# Allegro board mini_trx_layout.brd (continued)
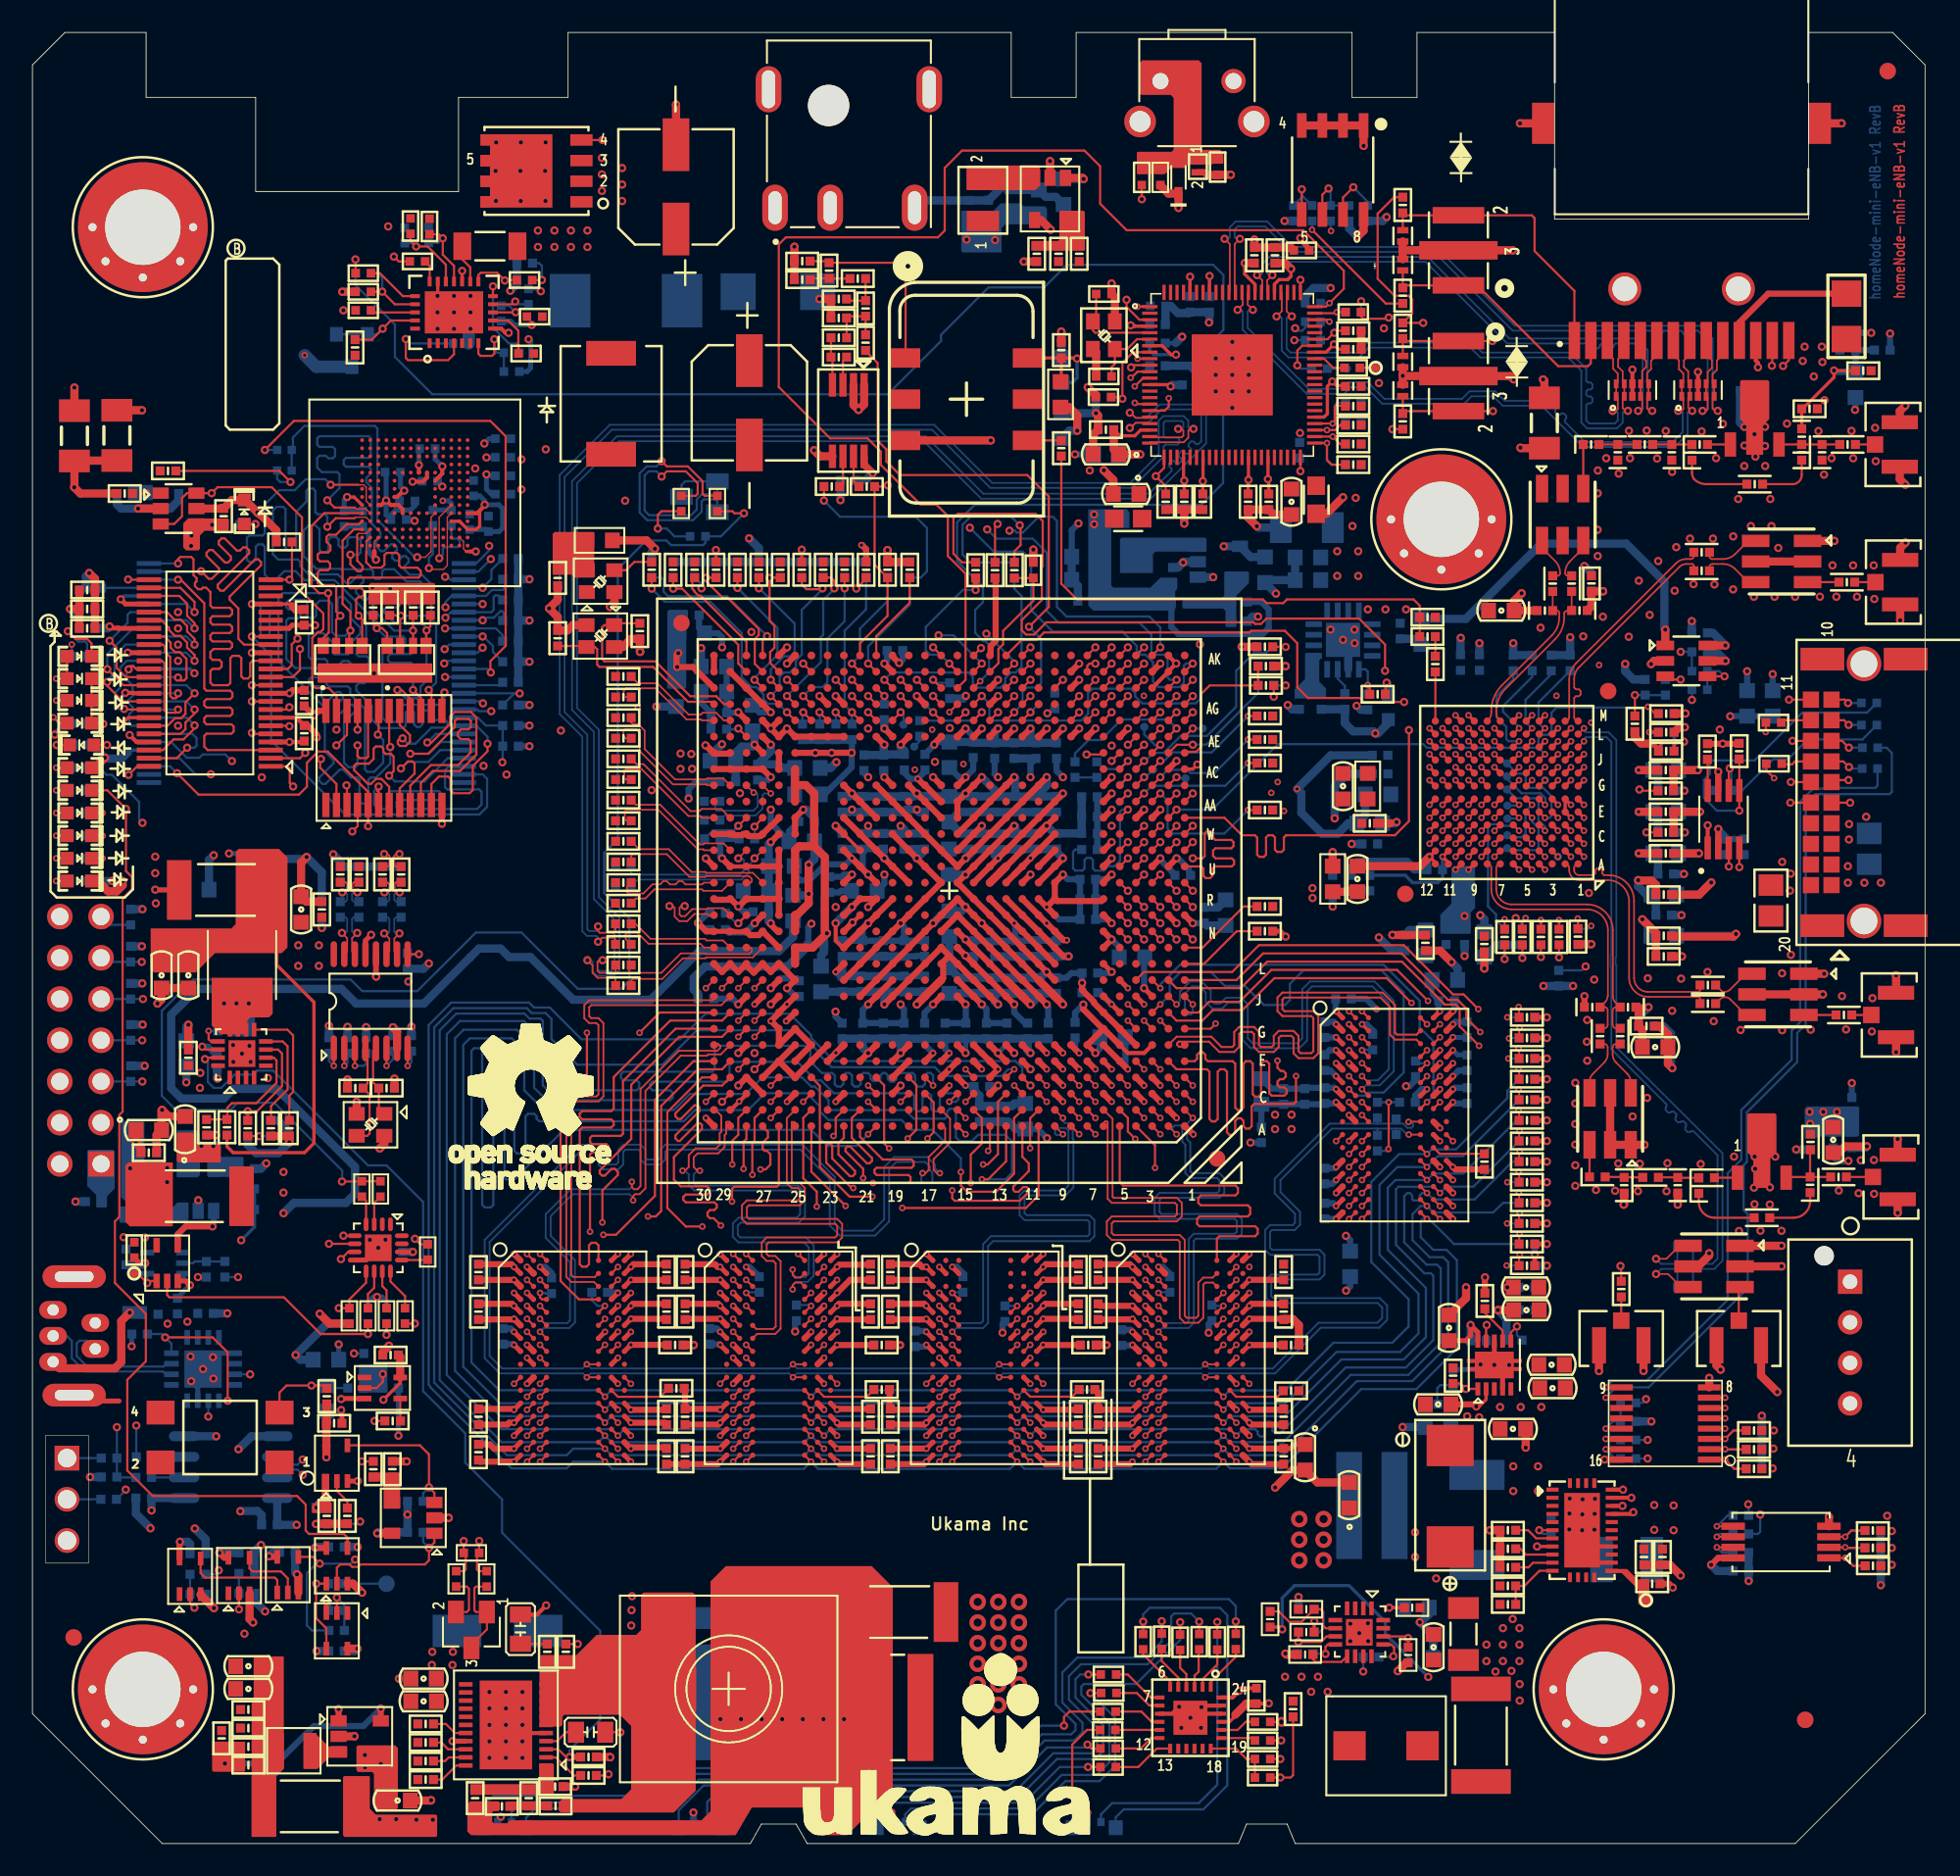
[diagram p0: board, top side]
## Routing (per net, layer and track width the routed paths; a pad name or vN(x,y) marks a point on that pad's centre or on a via; arc(x,y) is an arc through that point) (continued)
7130_DDR3_DQ20: length 29.6
  TOP w0.137: U30.H3 v2(69.37,30.73) ; U1.A3 v2(69.49,43.71)
  L6-SIGNAL w0.127: v2(69.37,30.73) 69.77,31.13 69.77,36.38 69.9,36.51 70.18,36.51 70.3,36.38 70.3,30.77 70.43,30.64 70.71,30.64 70.84,30.77 70.84,38.8 71.37,39.33 71.37,42.68 70.99,43.06 70.99,44.05 70.84,44.21 69.64,44.21 69.49,44.05 v2(69.49,43.71)
7130_DDR3_DQ21: length 29.6
  TOP w0.137: U1.B3 v2(69.49,44.71) ; U30.E3 v2(69.37,33.13)
  L6-SIGNAL w0.127: v2(69.49,44.71) 68.96,44.18 68.96,43.34 70.91,41.39 70.91,39.58 70.76,39.43 70.53,39.43 70.38,39.58 70.38,40.32 70.23,40.47 70,40.47 69.85,40.32 69.85,37.02 69.72,36.89 69.44,36.89 69.31,37.02 69.31,40.35 69.19,40.47 68.91,40.47 68.78,40.35 68.78,37.32 68.65,37.2 68.37,37.2 68.25,37.32 68.25,38.59 68.12,38.72 67.84,38.72 67.71,38.59 67.71,37.02 67.84,36.89 68.04,36.89 68.17,36.76 68.17,33.67 68.3,33.54 68.96,33.54 v2(69.37,33.13)
7130_DDR3_DQ22: length 29.6
  TOP w0.137: U1.A4 69.16,43.04 v2(69.16,41.64) ; U30.G2 v2(68.57,31.53)
  L6-SIGNAL w0.127: v2(69.16,41.64) 65.36,41.64 65.21,41.49 65.21,32.07 65.34,31.94 65.68,31.94 65.81,32.07 65.81,36.44 65.94,36.57 66.29,36.57 66.42,36.44 66.42,32.07 66.54,31.94 68.16,31.94 v2(68.57,31.53)
7130_DDR3_DQ23: length 29.6
  TOP w0.137: U30.F2 v2(68.57,32.33) ; U1.B4 v2(68.49,44.71)
  L6-SIGNAL w0.127: v2(68.49,44.71) 68.49,43.06 69.72,41.83 69.72,41.26 69.47,41.01 68.37,41.01 68.25,40.88 68.25,39.83 68.12,39.7 67.76,39.7 67.64,39.83 67.64,40.96 67.51,41.08 67.15,41.08 67.03,40.96 67.03,37.63 66.9,37.5 66.54,37.5 66.42,37.63 66.42,41.03 66.29,41.16 65.94,41.16 65.81,41.03 65.81,37.17 65.94,37.04 66.9,37.04 67.03,36.92 67.03,32.87 67.15,32.74 68.16,32.74 v2(68.57,32.33)
7130_DDR3_DQ24: length 29.6
  TOP w0.137: U1.B5 67.49,44.71 67.49,43.87 v2(67.94,43.42) ; U30.D7 v2(73.37,33.93)
  L3-SIGNAL w0.127: v2(67.94,43.42) 67.94,42.81 68.07,42.68 70.79,42.68 70.91,42.56 70.91,32.14 71.04,32.01 71.4,32.01 71.52,32.14 71.52,38.13 71.65,38.26 72.01,38.26 72.13,38.13 72.13,34.06 72.26,33.93 v2(73.37,33.93)
7130_DDR3_DQ25: length 29.6
  TOP w0.137: U30.A7 72.97,37.27 73.12,37.42 75.33,37.42 75.49,37.58 75.49,37.88 75.33,38.03 71.9,38.03 71.75,38.19 71.75,38.49 71.9,38.64 74.88,38.64 75.03,38.8 75.03,39.18 74.88,39.33 71.98,39.33 71.83,39.48 71.83,39.79 71.98,39.94 74.11,39.94 74.27,40.09 74.27,40.4 74.11,40.55 67.19,40.55 66.99,40.75 U1.A5
7130_DDR3_DQ26: length 29.6
  TOP w0.137: U1.C5 v2(67.49,45.71) ; U30.C8 v2(74.17,34.73)
  L3-SIGNAL w0.127: v2(74.17,34.73) 72.77,34.73 72.64,34.86 72.64,38.15 72.77,38.28 73.38,38.28 73.5,38.4 73.5,38.72 73.38,38.85 71.62,38.85 71.5,38.97 71.5,43.17 71.62,43.29 71.94,43.29 72.07,43.17 72.07,39.61 72.2,39.48 72.45,39.48 72.58,39.61 72.58,44.12 72.45,44.24 67.61,44.24 67.49,44.37 v2(67.49,45.71)
7130_DDR3_DQ27: length 29.6
  TOP w0.137: U1.D5 v2(67.49,46.71) ; U30.B8 v2(74.17,35.53)
  L3-SIGNAL w0.127: v2(74.17,35.53) 73.34,35.53 73.21,35.66 73.21,37.2 73.34,37.32 74.86,37.32 74.99,37.45 74.99,37.77 74.86,37.89 74.16,37.89 74.04,38.02 74.04,38.47 74.16,38.59 74.8,38.59 74.93,38.72 74.93,39.1 74.8,39.23 73.66,39.23 73.53,39.36 73.53,39.74 73.66,39.86 74.67,39.86 74.8,39.99 74.8,40.37 74.67,40.5 73.21,40.5 73.09,40.63 73.09,41.01 73.21,41.13 73.59,41.13 73.72,41.26 73.72,41.64 73.59,41.77 73.21,41.77 73.09,41.9 73.09,42.28 73.21,42.4 73.59,42.4 73.72,42.53 73.72,42.85 73.59,42.97 73.21,42.97 73.09,43.1 73.09,43.42 73.21,43.55 73.59,43.55 73.72,43.67 73.72,43.99 73.59,44.12 73.21,44.12 73.09,44.24 73.09,44.5 73.21,44.63 73.59,44.63 73.72,44.75 73.72,45.07 73.59,45.2 68.14,45.2 68.01,45.32 68.01,46.19 v2(67.49,46.71)
7130_DDR3_DQ28: length 29.6
  TOP w0.137: U30.C3 v2(69.37,34.73) ; U1.B7 v2(65.49,44.71)
  L3-SIGNAL w0.127: v2(65.49,44.71) 65.96,44.24 65.96,40.5 65.83,40.37 65.4,40.37 65.27,40.24 65.27,37.26 65.4,37.13 65.66,37.13 65.78,37.26 65.78,39.74 65.91,39.86 66.16,39.86 66.29,39.74 66.29,37.26 66.42,37.13 66.67,37.13 66.8,37.26 66.8,41.53 66.93,41.66 67.18,41.66 67.31,41.53 67.31,37.51 67.43,37.39 68.84,37.39 68.97,37.26 68.97,35.13 v2(69.37,34.73)
7130_DDR3_DQ29: length 29.6
  TOP w0.137: U30.A2 v2(68.57,36.33) ; U1.A7 v2(65.49,43.71)
  L3-SIGNAL w0.127: v2(65.49,43.71) 65.49,41.01 65.36,40.88 63.88,40.88 63.75,40.75 63.75,35.8 63.88,35.67 64.13,35.67 64.26,35.8 64.26,40.24 64.39,40.37 64.64,40.37 64.77,40.24 64.77,35.8 64.89,35.67 65.15,35.67 65.27,35.8 65.27,36.51 65.4,36.63 65.66,36.63 65.78,36.51 65.78,35.8 65.91,35.67 66.16,35.67 66.29,35.8 66.29,36.56 66.42,36.69 66.67,36.69 66.8,36.56 66.8,35.8 66.93,35.67 67.18,35.67 67.31,35.8 67.31,36.75 67.43,36.88 68.44,36.88 68.57,36.75 v2(68.57,36.33)
7130_DDR3_DQ30: length 29.6
  TOP w0.137: U1.C7 v2(65.49,45.71) ; U30.A3 v2(69.37,36.33)
  L3-SIGNAL w0.127: v2(69.37,36.33) 69.37,37.26 69.5,37.39 70.16,37.39 70.29,37.51 70.29,37.77 70.16,37.89 67.94,37.89 67.81,38.02 67.81,38.28 67.94,38.4 70.16,38.4 70.29,38.53 70.29,38.78 70.16,38.91 67.94,38.91 67.81,39.04 67.81,39.29 67.94,39.42 70.16,39.42 70.29,39.55 70.29,39.8 70.16,39.93 67.94,39.93 67.81,40.05 67.81,40.31 67.94,40.43 70.16,40.43 70.29,40.56 70.29,40.82 70.16,40.94 67.94,40.94 67.81,41.07 67.81,41.32 67.94,41.45 68.28,41.45 68.4,41.58 68.4,41.83 68.28,41.96 67.81,41.96 66.54,43.23 66.54,44.65 v2(65.49,45.71)
7130_DDR3_DQ31: length 29.6
  TOP w0.137: U1.D7 v2(65.49,46.71) ; U30.C2 v2(68.57,34.73)
  L3-SIGNAL w0.127: v2(65.49,46.71) 64.96,46.18 64.96,41.51 64.83,41.39 62.86,41.39 62.73,41.26 62.73,37.89 62.61,37.77 59.37,37.77 59.24,37.64 59.24,36.37 59.37,36.24 59.62,36.24 59.75,36.37 59.75,37.13 59.88,37.26 63.12,37.26 63.24,37.13 63.24,35.27 63.37,35.14 68.16,35.14 v2(68.57,34.73)
7130_DDR3_DQ32: length 29.6
  TOP w0.137: U1.B24 47.49,44.71 47.49,41 48.32,40.17 v2(48.32,39.25)
  TOP w0.305: U15.H7 v2(47.97,30.73)
  L3-SIGNAL w0.127: v2(47.97,30.73) 48.36,31.12 48.36,36.69 48.49,36.82 49.78,36.82 49.91,36.94 49.91,37.13 49.78,37.26 48.13,37.26 48,37.39 48,37.58 48.13,37.7 49.78,37.7 49.91,37.83 49.91,38.02 49.78,38.15 48.13,38.15 48,38.28 48,38.53 48.13,38.66 49.34,38.66 49.46,38.78 49.46,40.88 49.34,41.01 48.19,41.01 48.07,40.88 48.07,40.69 48.19,40.56 48.79,40.56 48.92,40.43 48.92,40.24 48.79,40.12 48.45,40.12 48.32,39.99 v2(48.32,39.25)
7130_DDR3_DQ33: length 29.6
  TOP w0.137: v2(50.1,39.29) 47.99,41.4 U1.A24 ; U15.F7 v2(47.97,32.33)
  L6-SIGNAL w0.127: v2(47.97,32.33) 48.36,32.73 53.18,32.73 53.31,32.85 53.31,33.13 53.18,33.26 51.05,33.26 50.92,33.39 50.92,33.58 51.05,33.7 54.1,33.7 54.73,34.34 55.24,34.34 55.5,34.59 55.5,38.09 53.84,39.74 52.57,39.74 52.13,39.29 v2(50.1,39.29)
7130_DDR3_DQ34: length 29.6
  TOP w0.137: U1.D24 48.51,46.69 48.51,41.69 50.34,39.86 v2(51.75,39.86) ; U15.H8 v2(48.77,30.73)
  L6-SIGNAL w0.127: v2(51.75,39.86) 52.11,40.23 54.45,40.23 56.28,38.39 56.28,32.9 56.13,32.75 54.1,32.75 52.45,31.1 49.14,31.1 v2(48.77,30.73)
7130_DDR3_DQ35: length 29.6
  TOP w0.137: U1.C24 v2(47.49,45.71) ; U15.F8 v2(48.77,32.33)
  L3-SIGNAL w0.127: v2(47.49,45.71) 47.49,44.25 48.64,43.1 51.43,43.1 51.44,43.1 51.88,43.1 52,42.98 52,42.66 51.88,42.53 48.13,42.53 48,42.4 48,42.09 48.13,41.96 52.38,41.96 52.51,41.83 52.51,39.48 52.38,39.36 50.97,39.36 50.35,38.73 50.35,32.87 50.22,32.74 49.18,32.74 v2(48.77,32.33)
7130_DDR3_DQ36: length 29.6
  TOP w0.137: U15.E3 v2(43.97,33.13) ; v2(45.49,44.71) U1.B26
  L3-SIGNAL w0.127: v2(43.97,33.13) 46.1,33.13 46.22,33.26 46.22,33.58 46.1,33.7 45.46,33.7 45.34,33.83 45.34,34.15 45.46,34.28 46.1,34.28 46.22,34.4 46.22,34.72 46.1,34.85 45.46,34.85 45.34,34.97 45.34,35.29 45.46,35.42 46.1,35.42 46.22,35.55 46.22,35.8 46.1,35.93 45.46,35.93 45.34,36.05 45.34,36.37 45.46,36.5 46.35,36.5 46.48,36.62 46.48,36.88 46.35,37.01 45.46,37.01 45.34,37.13 45.34,37.39 45.46,37.51 46.86,37.51 46.99,37.64 46.99,37.89 46.86,38.02 45.46,38.02 45.34,38.15 45.34,38.4 45.46,38.53 46.86,38.53 46.99,38.66 46.99,38.91 46.86,39.04 45.46,39.04 45.34,39.16 45.34,39.42 45.46,39.55 46.92,39.55 47.05,39.67 47.05,39.93 46.92,40.05 45.74,40.05 45.62,40.18 45.62,44.58 v2(45.49,44.71)
7130_DDR3_DQ37: length 29.6
  TOP w0.137: U15.H3 v2(43.97,30.73) ; v2(43.1,39.56) 43.1,40.35 43.23,40.47 45.86,40.47 45.99,40.6 U1.A26
  L6-SIGNAL w0.127: v2(43.97,30.73) 46.1,30.73 46.22,30.86 46.22,31.1 46.1,31.23 44.32,31.23 44.19,31.35 44.19,31.61 44.32,31.74 46.1,31.74 46.22,31.86 46.22,32.12 46.1,32.24 44.6,32.24 44.47,32.37 44.47,32.62 44.6,32.75 46.1,32.75 46.22,32.88 46.22,33.13 46.1,33.26 44.6,33.26 44.47,33.39 44.47,33.64 44.6,33.77 45.44,33.77 45.56,33.89 45.56,34.15 45.44,34.28 45.21,34.28 45.08,34.4 45.08,36.89 43.1,38.87 v2(43.1,39.56)
7130_DDR3_DQ38: length 29.6
  TOP w0.137: v2(43.17,31.53) U15.G2 ; U1.D26 v2(45.49,46.71)
  L3-SIGNAL w0.127: v2(45.49,46.71) 46.05,46.14 46.05,42.72 46.18,42.59 47.24,42.59 47.37,42.47 47.37,42.15 47.24,42.02 46.18,42.02 46.05,41.9 46.05,41.64 46.18,41.51 47.29,41.51 47.42,41.39 47.42,41.13 47.29,41.01 46.18,41.01 46.05,40.88 46.05,40.63 46.18,40.5 47.43,40.5 47.56,40.37 47.56,32.75 47.43,32.62 45.02,32.62 44.89,32.5 44.89,32.24 45.02,32.12 46.16,32.12 46.29,31.99 46.29,31.66 46.16,31.53 v2(43.17,31.53)
7130_DDR3_DQ39: length 29.6
  TOP w0.137: v2(43.17,32.33) U15.F2 ; v2(45.49,45.71) U1.C26
  L3-SIGNAL w0.127: v2(45.49,45.71) 44.71,45.71 43.94,44.94 43.94,44.37 43.81,44.24 43.28,44.24 43.15,44.12 43.15,43.8 43.28,43.67 44.76,43.67 44.89,43.55 44.89,43.23 44.76,43.1 43.68,43.1 43.56,42.97 43.56,42.66 43.68,42.53 45.11,42.53 45.23,42.4 45.23,40.69 45.11,40.56 43.94,40.56 43.81,40.43 43.81,40.18 43.94,40.05 44.83,40.05 44.95,39.93 44.95,39.67 44.83,39.55 43.88,39.55 43.75,39.42 43.75,39.16 43.88,39.04 44.83,39.04 44.95,38.91 44.95,38.66 44.83,38.53 43.37,38.53 43.24,38.4 43.24,38.15 43.37,38.02 44.83,38.02 44.95,37.89 44.95,34.48 44.81,34.33 43.68,34.33 43.55,34.21 43.55,32.71 v2(43.17,32.33)
7130_DDR3_DQ40: length 29.6
  TOP w0.137: U15.D7 v2(47.97,33.93) ; v2(43.11,41.84) 43.11,43.3 43.49,43.67 43.49,44.71 U1.B28
  L6-SIGNAL w0.127: v2(47.97,33.93) 48.36,34.32 53.91,34.32 54.38,34.79 54.38,38.26 54.02,38.62 47.88,38.62 45.51,40.99 45.51,41.65 44.95,42.2 43.89,42.2 43.74,42.35 43.74,42.56 43.84,42.66 43.84,42.94 43.71,43.06 43.53,43.06 43.11,42.64 v2(43.11,41.84)
7130_DDR3_DQ41: length 29.6
  TOP w0.137: v2(43.81,41.58) 43.81,43.24 43.99,43.42 U1.A28
  TOP w0.152: v2(47.17,36.33) U15.A7
  L6-SIGNAL w0.127: v2(43.81,41.58) 43.81,41.36 43.68,41.23 42.85,41.23 42.72,41.11 42.72,40.83 42.85,40.7 43.68,40.7 43.81,40.57 43.81,40.29 46.53,37.58 46.53,36.03 46.4,35.9 46.2,35.9 46.07,36.03 46.07,37.27 44.01,39.33 43.86,39.33 43.67,39.13 43.67,38.95 45.6,37.02 45.6,35.01 46.07,34.53 46.07,34.07 46.99,33.16 46.99,32.65 47.11,32.52 47.39,32.52 47.52,32.65 47.52,34.15 47.9,34.53 47.9,35.6 v2(47.17,36.33)
7130_DDR3_DQ42: length 29.6
  TOP w0.137: U1.B27 44.49,44.71 44.49,43.25 44.35,43.11 44.35,41.21 v2(44.36,41.21) ; U15.C8 v2(48.77,34.73)
  L6-SIGNAL w0.127: v2(48.77,34.73) 48.36,35.14 48.36,36.46 48.23,36.59 47.69,36.59 47.56,36.71 47.56,37.01 47.69,37.13 49.03,37.13 49.16,37.01 49.16,36.05 49.29,35.93 52.35,35.93 52.47,36.05 52.47,36.43 52.35,36.56 50.42,36.56 50.29,36.69 50.29,36.94 50.42,37.07 52.38,37.07 52.51,37.2 52.51,37.49 52.38,37.62 47.3,37.62 44.36,40.56 v2(44.36,41.21)
7130_DDR3_DQ43: length 29.6
  TOP w0.137: v2(44.85,41.54) 45.17,41.54 45.46,41.83 45.46,42.48 45.25,42.69 45.1,42.69 44.99,42.8 44.99,43.19 45.31,43.51 45.31,43.85 44.99,44.18 U1.A27 ; U15.B8 v2(48.77,35.53)
  L6-SIGNAL w0.127: v2(48.77,35.53) 49.16,35.14 50.03,35.14 50.19,34.99 50.19,34.83 50.34,34.68 50.64,34.68 50.8,34.83 50.8,35.37 50.95,35.52 51.18,35.52 51.33,35.37 51.33,34.83 51.41,34.76 51.71,34.76 51.86,34.91 51.86,35.29 52.02,35.44 52.28,35.44 52.4,35.33 52.4,34.83 52.47,34.76 52.93,34.76 53.08,34.91 53.08,34.99 53.24,35.14 53.77,35.14 53.92,35.29 53.92,35.61 53.79,35.74 53.03,35.74 52.9,35.86 52.9,36.24 53.03,36.37 53.79,36.37 53.92,36.5 53.92,36.82 53.79,36.94 53.03,36.94 52.9,37.07 52.9,37.39 53.03,37.51 53.79,37.51 53.92,37.64 53.92,37.96 53.79,38.09 47.49,38.09 44.85,40.73 v2(44.85,41.54)
7130_DDR3_DQ44: length 29.6
  TOP w0.137: U1.D30 41.25,47.21 39.11,45.07 39.11,39.16 40.26,38.02 v2(41.27,38.02) ; v2(43.17,34.73) U15.C2
  L6-SIGNAL w0.127: v2(41.27,38.02) 41.14,38.02 40.98,37.86 40.98,37.48 41.14,37.32 42.99,37.32 43.11,37.2 43.11,36.88 42.99,36.75 41.14,36.75 41.02,36.62 41.02,31.42 41.14,31.29 41.46,31.29 41.59,31.42 41.59,35 41.72,35.13 42.77,35.13 v2(43.17,34.73)
7130_DDR3_DQ45: length 29.6
  TOP w0.137: U15.C3 v2(43.97,34.73) ; v2(42.41,38.09) 41.97,38.53 41.74,38.53 41.59,38.68 41.59,38.89 41.74,39.04 42.01,39.04 42.16,39.19 42.16,39.36 42.01,39.51 40.25,39.51 40.09,39.67 40.09,39.84 40.25,39.99 41.56,39.99 41.72,40.14 41.72,40.35 41.56,40.5 39.94,40.5 39.52,40.92 39.52,42.3 41.25,44.03 41.25,44.27 41.14,44.38 40.96,44.38 39.88,43.29 39.77,43.29 39.61,43.45 39.61,43.64 41.09,45.13 41.09,45.37 40.97,45.49 40.79,45.49 39.95,44.65 39.77,44.65 39.61,44.82 39.61,44.99 41.32,46.71 42.49,46.71 U1.D29
  L6-SIGNAL w0.127: v2(42.41,38.09) 43.18,38.09 44.59,36.67 44.59,35.35 v2(43.97,34.73)
7130_DDR3_DQ46: length 29.6
  TOP w0.137: v2(41.49,45.71) 41.49,45.71 41.99,46.21 U1.C30 ; U15.A2 v2(43.17,36.33)
  L3-SIGNAL w0.127: v2(41.49,45.71) 37.41,41.63 37.41,41.45 37.6,41.25 37.78,41.25 40.57,44.05 40.75,44.05 40.95,43.85 40.95,43.67 38.6,41.32 38.6,38.24 38.73,38.11 39.15,38.11 39.27,37.98 39.27,37.7 39.15,37.58 36.89,37.58 36.76,37.45 36.76,37.17 36.89,37.04 42.9,37.04 43.17,36.77 v2(43.17,36.33)
7130_DDR3_DQ47: length 29.6
  TOP w0.137: U15.A3 v2(43.97,36.33) ; U1.C29 v1(42.49,45.71)
  L3-SIGNAL w0.127: v2(43.97,36.33) 43.97,37.32 43.78,37.51 39.87,37.51 39.75,37.64 39.75,37.96 39.87,38.09 40.64,38.09 40.76,38.21 40.76,38.53 40.64,38.66 39.24,38.66 39.11,38.78 39.11,39.16 39.24,39.29 42.35,39.29 42.48,39.42 42.48,39.8 42.35,39.93 39.24,39.93 39.11,40.05 39.11,40.43 39.24,40.56 43.18,40.56 43.3,40.69 43.3,41.01 43.18,41.13 41.91,41.13 41.78,41.26 41.78,41.58 41.91,41.7 42.48,41.7 42.61,41.83 42.61,45.59 v1(42.49,45.71)
7130_DDR3_DQ48: length 29.6
  TOP w0.137: v2(35.18,37.51) 35.95,37.51 38.35,39.91 38.35,45.83 40.73,48.21 U1.E30 ; U11.E3 v2(31.27,33.13)
  L3-SIGNAL w0.127: v2(35.18,37.51) 35.56,37.51 35.75,37.7 35.75,38.78 35.62,38.91 34.16,38.91 33.02,37.77 33.02,33.26 32.89,33.13 32.64,33.13 32.51,33.26 32.51,34.68 32.38,34.81 32.13,34.81 32,34.68 32,33.26 31.87,33.13 v2(31.27,33.13)
7130_DDR3_DQ49: length 29.6
  TOP w0.137: U11.F7 v2(35.27,32.33) ; v2(37.92,38.64) 38.4,38.64 38.73,38.97 38.73,45.45 40.99,47.71 42.49,47.71 U1.E29
  L3-SIGNAL w0.127: v2(35.27,32.33) 34.67,32.33 34.54,32.46 34.54,36.5 34.74,36.69 35.56,36.69 36.19,37.32 36.19,38.92 35.71,39.41 34.78,39.41 34.65,39.53 34.65,39.81 34.78,39.94 35.93,39.94 36.61,39.25 36.61,38.21 36.74,38.09 36.95,38.09 37.08,38.21 37.08,38.91 37.21,39.04 37.4,39.04 37.53,38.91 37.53,38.77 37.65,38.64 v2(37.92,38.64)
7130_DDR3_DQ50: length 29.6
  TOP w0.137: U11.H8 v2(36.07,30.73) ; U1.E28 v2(43.49,47.71)
  L6-SIGNAL w0.127: v2(43.49,47.71) 42,46.22 42,43.41 41.73,43.14 41.73,40.88 41.6,40.75 40.26,40.75 40.13,40.63 40.13,34.01 40,33.88 39.81,33.88 39.68,34.01 39.68,36.69 39.56,36.82 39.3,36.82 39.18,36.69 39.18,32.62 39.05,32.5 38.35,32.5 38.22,32.37 38.22,31.23 38.1,31.1 36.44,31.1 v2(36.07,30.73)
7130_DDR3_DQ51: length 29.6
  TOP w0.137: U11.F8 v2(36.07,32.33) ; U1.E27 v1(44.49,47.71)
  L6-SIGNAL w0.127: v2(36.07,32.33) 36.46,31.94 37.03,31.94 37.78,32.69 37.78,36.21 37.91,36.33 38.16,36.33 38.29,36.21 38.29,33.09 38.41,32.96 38.69,32.96 38.81,33.09 38.81,37.37 39.6,38.15 39.6,41.74 40.97,43.11 40.97,45.81 43.33,48.17 44.03,48.17 v1(44.49,47.71)
7130_DDR3_DQ52: length 29.6
  TOP w0.137: v2(34.35,37.7) 34.35,42.47 34.48,42.59 35.35,42.59 35.48,42.72 35.48,42.97 35.35,43.1 34.48,43.1 34.35,43.23 34.35,43.48 34.48,43.61 36.26,43.61 36.38,43.74 36.38,46.98 39.62,50.21 U1.G30 ; U11.H3 v2(31.27,30.73)
  L3-SIGNAL w0.127: v2(31.27,30.73) 32.52,30.73 33.85,32.06 34.03,32.24 34.03,37.39 v2(34.35,37.7)
7130_DDR3_DQ53: length 29.6
  TOP w0.137: U1.G29 42.49,49.71 39.84,49.71 36.89,46.76 36.89,43.42 34.95,41.48 34.95,41.3 35.09,41.16 35.27,41.16 35.68,41.58 35.87,41.58 36.06,41.39 36.06,41.2 35.11,40.24 v2(35.11,38.28) ; U11.F2 v2(30.47,32.33)
  L3-SIGNAL w0.127: v2(30.47,32.33) 30.85,31.95 32.76,31.95 33.52,32.71 33.52,37.71 34.09,38.28 v2(35.11,38.28)
7130_DDR3_DQ54: length 29.6
  TOP w0.137: U1.G28 v2(43.49,49.71) ; U11.G2 v2(30.47,31.53)
  L6-SIGNAL w0.127: v2(43.49,49.71) 42.95,49.17 42.95,48.4 40.51,45.96 40.51,43.17 38.99,41.64 38.99,38.19 37.39,36.59 37.39,33.67 37.26,33.54 34.11,33.54 32.67,32.1 32.67,31.92 32.82,31.78 33.23,31.78 33.33,31.67 33.33,31.27 33.21,31.14 30.86,31.14 v2(30.47,31.53)
7130_DDR3_DQ55: length 29.6
  TOP w0.137: U11.H7 v2(35.27,30.73) ; v2(44.49,49.71) U1.G27
  L6-SIGNAL w0.127: v2(44.49,49.71) 45.01,49.19 45.01,47.48 44.01,46.49 44.01,44.45 42.19,42.62 42.19,40.31 42.06,40.18 40.7,40.18 40.57,40.05 40.57,33.58 39.94,32.95 39.94,31.28 39.81,31.16 39.43,31.16 39.3,31.28 39.3,31.74 39.18,31.86 38.86,31.86 38.73,31.74 38.73,30.47 38.6,30.34 35.66,30.34 v2(35.27,30.73)
7130_DDR3_DQ56: length 27.8
  TOP w0.137: U11.D7 33.67,33.53 32.54,34.66 32.54,46.39 32.87,46.72 33.97,46.72 34.16,46.91 v2(34.16,49.96) ; v2(37.4,49.96) 38.65,51.21 U1.H30
  L3-SIGNAL w0.127: v2(34.16,49.96) v2(37.4,49.96)
7130_DDR3_DQ57: length 29.6
  TOP w0.137: U11.A7 34.87,36.87 34.72,37.02 34.44,37.02 34.29,36.87 34.29,35.7 34.13,35.55 33.87,35.55 33.72,35.7 33.72,43.97 33.87,44.12 35.66,44.12 35.81,44.27 35.81,44.47 35.66,44.63 33.87,44.63 33.72,44.78 33.72,44.98 33.87,45.13 35.66,45.13 35.81,45.29 35.81,47.23 39.29,50.71 42.49,50.71 U1.H29
7130_DDR3_DQ58: length 29.7
  TOP w0.137: U11.C8 v2(36.07,34.73) ; U1.H28 v2(43.49,50.71)
  L6-SIGNAL w0.127: v2(43.49,50.71) 42.9,50.71 42.19,50 42.19,48.55 37.61,43.98 37.61,39.18 36.7,38.26 36.7,37.65 32.74,33.69 32.74,33.46 32.89,33.31 33.12,33.31 33.85,34.04 34.06,34.25 35.12,35.32 35.3,35.32 35.5,35.11 35.5,34.93 34.96,34.39 34.96,34.21 35.14,34.03 35.37,34.03 v2(36.07,34.73)
7130_DDR3_DQ59: length 29.6
  TOP w0.137: U11.B8 v2(36.07,35.53) ; v2(44.49,50.71) U1.H27
  L6-SIGNAL w0.127: v2(36.07,35.53) 36.45,35.91 36.45,36.52 38.52,38.59 38.52,41.86 40.14,43.48 40.14,43.66 40.04,43.76 39.84,43.76 38.47,42.4 38.29,42.4 38.15,42.54 38.15,42.72 40.12,44.68 40.12,44.87 40,44.98 39.79,44.98 38.44,43.64 38.26,43.64 38.09,43.81 38.09,43.99 42.55,48.46 42.55,49.6 43.21,50.26 44.03,50.26 v2(44.49,50.71)
7130_DDR3_DQ60: length 29.6
  TOP w0.127: U1.K30 v2(41.49,52.71)
  TOP w0.137: U11.C2 v2(30.47,34.73)
  L6-SIGNAL w0.127: v2(41.49,52.71) 41.12,52.34 41.12,48.93 34.06,41.87 31.91,39.72 31.91,39.54 32.08,39.38 32.26,39.38 34.04,41.17 34.25,41.17 34.35,41.06 34.35,40.79 32.31,38.75 32.31,38.38 30.85,36.92 30.85,35.12 v2(30.47,34.73)
7130_DDR3_DQ61: length 29.6
  TOP w0.127: v2(42.49,52.71) U1.K29
  TOP w0.137: U11.A2 v2(30.47,36.33)
  L6-SIGNAL w0.127: v2(30.47,36.33) 30.47,37.22 31.82,38.56 31.82,38.78 31.64,38.95 31.44,38.95 29.78,37.29 29.6,37.29 29.4,37.49 29.4,37.67 34.06,42.33 40.74,49.01 40.74,52.74 41.2,53.2 42,53.2 v2(42.49,52.71)
7130_DDR3_DQ62: length 29.6
  TOP w0.127: v2(43.49,52.71) U1.K28
  TOP w0.137: U11.A3 v2(31.27,36.33)
  L6-SIGNAL w0.127: v2(43.49,52.71) 42.77,51.99 41.78,51.99 41.42,51.64 41.42,48.78 35.26,42.62 35.26,39.73 33.85,38.32 33.55,38.02 33.35,38.02 33.21,38.17 33.21,38.4 34.86,40.05 34.86,40.24 34.73,40.37 34.48,40.37 32.76,38.66 32.76,38.31 31.27,36.82 v2(31.27,36.33)
7130_DDR3_DQ63: length 29.6
  TOP w0.137: U11.C3 v2(31.27,34.73)
  TOP w0.152: v2(44.49,52.71) U1.K27
  L6-SIGNAL w0.127: v2(44.49,52.71) 44.01,52.24 44.01,51.52 43.71,51.22 42.21,51.22 41.73,50.73 41.73,48.55 36.21,43.04 36.21,37.85 33.71,35.35 33.48,35.35 33.24,35.59 33.24,35.79 33.94,36.5 33.94,36.68 33.67,36.95 33.49,36.95 v2(31.27,34.73)
7130_DDR3_DQS0N: length 29.6
  TOP w0.114: U35.G3 v2(81.91,46.49) ; U1.J2 v2(70.49,51.71)
  BOTTOM w0.114: v2(70.49,51.71) 70.7,51.92 70.7,52.5 71.32,53.12 72.03,53.12 72.59,52.56 72.59,51.99 72.83,51.75 73.16,51.75 73.53,52.12 74.47,52.12 74.88,51.71 74.88,49.62 75.18,49.31 77.92,49.31 78.23,49.62 78.23,52.64 78.71,53.12 82.69,53.12 83.87,51.94 83.87,47.58 83,46.72 82.15,46.72 v2(81.91,46.49)
7130_DDR3_DQS0P: length 29.6
  TOP w0.114: U35.F3 v2(81.91,47.29) ; U1.J1 v2(71.49,51.71)
  BOTTOM w0.114: v2(71.49,51.71) 71.49,51.71 71.49,51.19 71.38,51.09 71.12,51.09 71,51.2 71,52.37 71.45,52.82 71.9,52.82 72.29,52.44 72.29,51.86 72.7,51.45 73.29,51.45 73.66,51.81 74.34,51.81 74.57,51.59 74.57,49.49 75.05,49.01 78.05,49.01 78.53,49.49 78.53,52.51 78.84,52.82 82.56,52.82 83.56,51.81 83.56,47.71 82.88,47.03 82.17,47.03 v2(81.91,47.29)
7130_DDR3_DQS1N: length 29.6
  TOP w0.127: U1.F2 70.49,49.72 72.63,49.72 73.26,49.08 73.91,49.08 74.04,49.21 74.04,50.01 74.34,50.32 75.26,50.32 75.56,50.01 75.56,49.21 75.69,49.08 76.35,49.08 76.48,49.21 76.48,49.77 76.78,50.07 77.7,50.07 78,49.77 78,48.83 78.13,48.7 78.79,48.7 78.91,48.83 78.91,50.86 78.79,50.99 77.01,50.99 76.7,51.29 76.7,52.13 77.01,52.44 83.18,52.44 83.94,51.67 83.94,49.97 84.07,49.85 85.27,49.85 85.51,50.08 U35.B7
7130_DDR3_DQS1P: length 29.6
  TOP w0.127: U1.F1 70.99,49.17 70.91,49.1 70.63,49.1 70.52,49.21 70.52,49.31 70.62,49.41 72.49,49.41 73.12,48.78 74.04,48.78 74.34,49.08 74.34,49.88 74.47,50.01 75.13,50.01 75.26,49.88 75.26,49.08 75.56,48.78 76.48,48.78 76.78,49.08 76.78,49.64 76.91,49.77 77.57,49.77 77.7,49.64 77.7,48.7 78,48.4 78.91,48.4 79.22,48.7 79.22,50.99 78.91,51.29 77.14,51.29 77.01,51.42 77.01,52 77.14,52.13 83.05,52.13 83.64,51.54 83.64,49.85 83.94,49.54 85.26,49.54 U35.C7
7130_DDR3_DQS2N: length 29.6
  TOP w0.114: U30.G3 v2(69.37,31.53) ; U1.B1 v2(71.49,44.71)
  BOTTOM w0.114: v2(69.37,31.53) 69.61,31.77 71.24,31.77 71.55,32.08 71.55,37.15 71.68,37.27 74.2,37.27 74.51,37.58 74.51,38.49 74.2,38.8 69.57,38.8 69.44,38.92 69.44,39.66 69.57,39.79 73.12,39.79 73.43,40.09 73.43,41.01 73.12,41.31 71.46,41.31 71.33,41.44 71.33,43.2 71.13,43.4 71.13,44.36 v2(71.49,44.71)
7130_DDR3_DQS2P: length 29.6
  TOP w0.114: U30.F3 v2(69.37,32.33) ; U1.A2 v2(70.49,43.71)
  BOTTOM w0.114: v2(70.49,43.71) 70.23,43.97 70.23,44.1 70.37,44.24 70.72,44.24 70.84,44.13 70.84,43.25 71.03,43.06 71.03,41.31 71.33,41.01 73,41.01 73.12,40.88 73.12,40.22 73,40.09 69.44,40.09 69.14,39.79 69.14,38.8 69.44,38.49 74.08,38.49 74.2,38.36 74.2,37.7 74.08,37.58 71.55,37.58 71.24,37.27 71.24,32.2 71.11,32.07 69.63,32.07 v2(69.37,32.33)
7130_DDR3_DQS3N: length 29.6
  TOP w0.114: U1.B6 66.54,44.66 66.54,39.86 66.62,39.79 70.51,39.79 70.81,39.48 70.81,38.64 70.51,38.34 66.62,38.34 66.49,38.21 66.49,37.63 66.62,37.5 70.68,37.5 70.99,37.2 70.99,32.52 71.12,32.4 71.7,32.4 71.83,32.52 71.83,34.57 72.13,34.87 72.71,34.87 U30.B7
7130_DDR3_DQS3P: length 29.6
  TOP w0.114: U30.C7 72.74,34.57 72.26,34.57 72.13,34.44 72.13,32.4 71.83,32.09 70.99,32.09 70.68,32.4 70.68,37.07 70.56,37.2 66.49,37.2 66.19,37.5 66.19,38.34 66.49,38.64 70.38,38.64 70.51,38.77 70.51,39.36 70.38,39.48 66.49,39.48 66.24,39.74 66.24,44.45 66.19,44.5 66.09,44.5 65.99,44.4 U1.A6
7130_DDR3_DQS4N: length 29.6
  TOP w0.114: U1.A25 46.99,44.4 46.92,44.46 46.78,44.46 46.78,40.82 46.89,40.7 47.28,40.7 47.58,40.4 47.58,39.63 47.28,39.33 44.14,39.33 44.01,39.2 44.01,38.62 44.14,38.49 49.58,38.49 49.88,38.19 49.88,37.35 49.58,37.04 45.36,37.04 45.23,36.92 45.23,36.33 45.36,36.21 45.77,36.21 46.09,35.88 46.09,31.73 45.77,31.4 44.64,31.4 U15.G3
7130_DDR3_DQS4P: length 29.6
  TOP w0.114: U1.B25 46.48,44.7 46.48,40.69 46.77,40.4 47.15,40.4 47.28,40.27 47.28,39.76 47.15,39.63 44.01,39.63 43.71,39.33 43.71,38.49 44.01,38.19 49.45,38.19 49.58,38.06 49.58,37.48 49.45,37.35 45.23,37.35 44.93,37.04 44.93,36.21 45.23,35.9 45.64,35.9 45.79,35.75 45.79,31.86 45.64,31.71 44.59,31.71 U15.F3
7130_DDR3_DQS5N: length 29.7
  TOP w0.114: U1.B30 42.07,45.21 42.44,44.84 42.44,43.87 42.34,43.77 42.34,43.05 42.12,42.83 40.85,42.83 40.43,42.42 40.43,41.69 40.2,41.46 v2(40.05,41.46) ; U15.B7 47.31,34.87 46.99,34.87 46.83,35.02 v2(46.83,35.37)
  BOTTOM w0.114: v2(40.05,41.46) 40.2,41.46 40.43,41.23 40.43,40.59 40.78,40.24 47.05,40.24 47.29,40 47.29,38.77 47.09,38.57 43.51,38.57 43.15,38.21 43.15,37.39 43.49,37.04 47.52,37.04 47.82,36.74 47.82,35.11 47.62,34.91 47.05,34.91 46.83,35.13 v2(46.83,35.37)
7130_DDR3_DQS5P: length 29.6
  TOP w0.114: U15.C7 47.34,34.57 46.99,34.57 46.83,34.41 v2(46.83,34.15) ; v2(41.12,41.46) 40.97,41.46 40.74,41.69 40.74,42.29 40.98,42.53 42.25,42.53 42.64,42.92 42.64,43.65 42.74,43.75 42.74,44.44 42.77,44.47 42.94,44.47 42.99,44.42 U1.A29
  BOTTOM w0.114: v2(41.12,41.46) 40.97,41.46 40.74,41.23 40.74,40.71 40.9,40.55 47.18,40.55 47.6,40.13 47.6,38.64 47.22,38.26 43.63,38.26 43.46,38.09 43.46,37.51 43.62,37.35 47.65,37.35 48.13,36.87 48.13,34.99 47.75,34.61 47.02,34.61 46.83,34.41 v2(46.83,34.15)
7130_DDR3_DQS6N: length 29.6
  TOP w0.114: U11.G3 v2(31.27,31.53) ; v2(37,39.63) 37,39.89 37.13,40.02 37.41,40.02 37.77,40.38 37.77,46.38 39.94,48.55 41.55,48.55 41.63,48.63 42.4,48.63 42.72,48.95 U1.F29
  BOTTOM w0.114: v2(31.27,31.53) 31.51,31.77 33.07,31.77 33.42,32.12 33.42,35.95 31.92,37.45 31.92,38.66 33.28,40.02 36.78,40.02 37,39.79 v2(37,39.63)
